# KiCad board keyboard.kicad_pcb
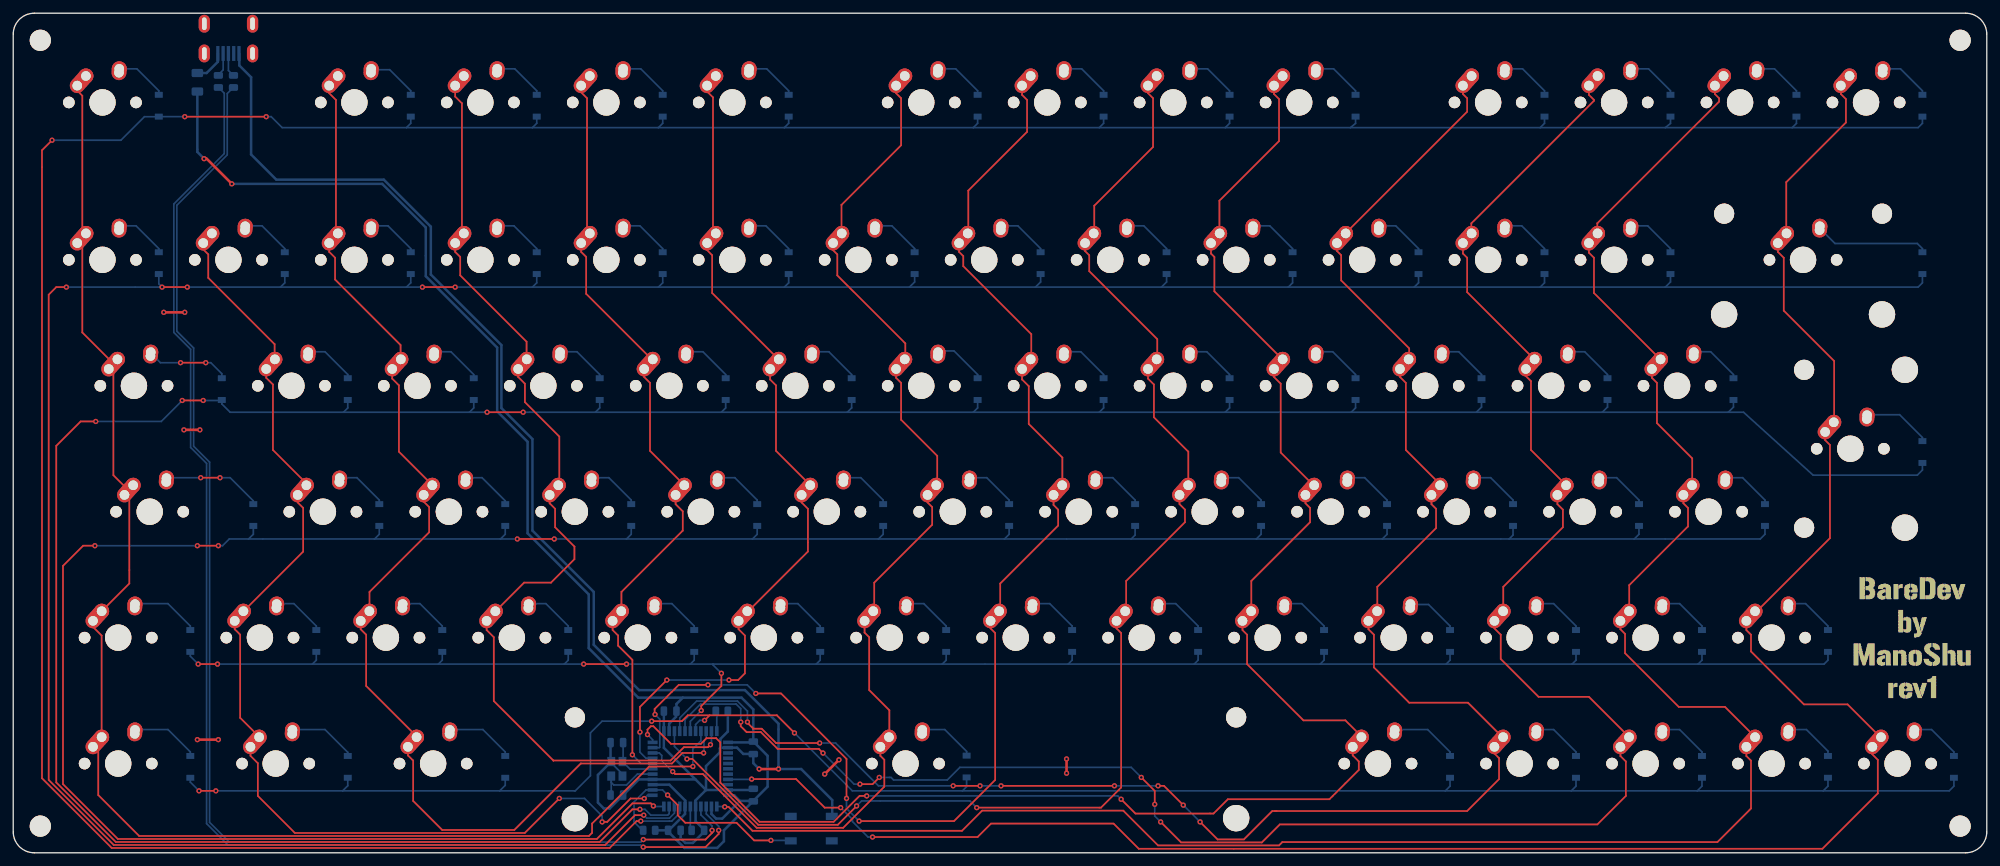
[diagram p0: board, top side]
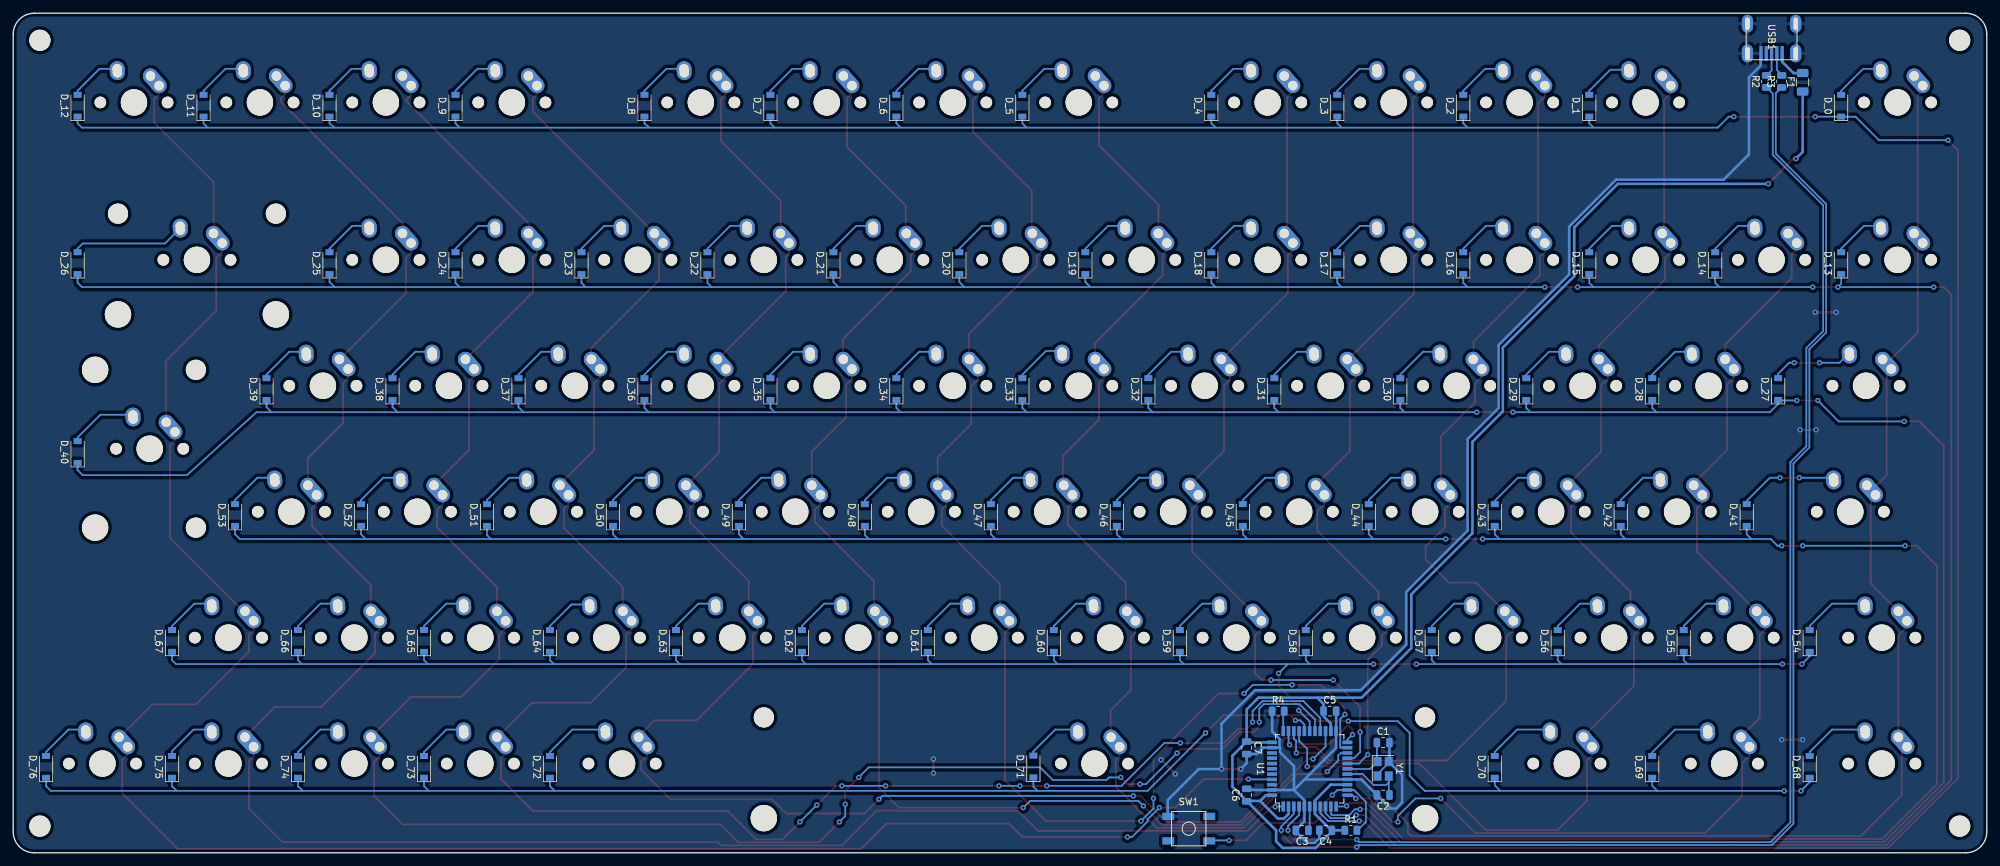
[diagram p1: board, bottom side, seen from below]

Outline 298.45 x 127 mm; copper layers: Top, Bottom. Coordinates in mm from the lower left corner of the outline.
Outline path: 0,123.83 0,3.17 arc(0.93,0.93) 3.17,0 295.27,0 arc(297.52,0.93) 298.45,3.17 298.45,123.83 arc(297.52,126.07) 295.27,127 3.17,127 arc(0.93,126.07) 0,123.83

## Placement (name value [footprint] x y rotation side)
BAREDEV_LOGO  -  [BAREDEV_LOGO]  277.4 42.26 0 top
C1  22pF  [C_0805_2012Metric]  91.28 16.67 180 bottom
C2  22pF  [C_0805_2012Metric]  91.28 8.73 0 bottom
C3  1uF  [C_0805_2012Metric]  103.54 3.4 0 bottom
C4  0.1uF  [C_0805_2012Metric]  99.98 3.4 0 bottom
C5  0.1uF  [C_0805_2012Metric]  99.35 21.43 180 bottom
C6  0.1uF  [C_0805_2012Metric]  111.92 8.73 90 bottom
C7  10uF  [C_0805_2012Metric]  111.92 15.88 270 bottom
D_0  D  [D_SOD-123]  22.02 113.01 90 bottom
D_1  D  [D_SOD-123]  60.12 113.01 90 bottom
D_2  D  [D_SOD-123]  79.17 113.01 90 bottom
D_3  D  [D_SOD-123]  98.22 113.01 90 bottom
D_4  D  [D_SOD-123]  117.27 113.01 90 bottom
D_5  D  [D_SOD-123]  145.84 113.01 90 bottom
D_6  D  [D_SOD-123]  164.89 113.01 90 bottom
D_7  D  [D_SOD-123]  183.94 113.01 90 bottom
D_8  D  [D_SOD-123]  202.99 113.01 90 bottom
D_9  D  [D_SOD-123]  231.57 113.01 90 bottom
D_10  D  [D_SOD-123]  250.62 113.01 90 bottom
D_11  D  [D_SOD-123]  269.67 113.01 90 bottom
D_12  D  [D_SOD-123]  288.72 113.01 90 bottom
D_13  D  [D_SOD-123]  22.02 89.19 90 bottom
D_14  D  [D_SOD-123]  41.07 89.19 90 bottom
D_15  D  [D_SOD-123]  60.12 89.19 90 bottom
D_16  D  [D_SOD-123]  79.17 89.19 90 bottom
D_17  D  [D_SOD-123]  98.22 89.19 90 bottom
D_18  D  [D_SOD-123]  117.27 89.19 90 bottom
D_19  D  [D_SOD-123]  136.32 89.19 90 bottom
D_20  D  [D_SOD-123]  155.37 89.19 90 bottom
D_21  D  [D_SOD-123]  174.42 89.19 90 bottom
D_22  D  [D_SOD-123]  193.47 89.19 90 bottom
D_23  D  [D_SOD-123]  212.52 89.19 90 bottom
D_24  D  [D_SOD-123]  231.57 89.19 90 bottom
D_25  D  [D_SOD-123]  250.62 89.19 90 bottom
D_26  D  [D_SOD-123]  288.72 89.19 90 bottom
D_27  D  [D_SOD-123]  31.54 70.14 90 bottom
D_28  D  [D_SOD-123]  50.59 70.14 90 bottom
D_29  D  [D_SOD-123]  69.64 70.14 90 bottom
D_30  D  [D_SOD-123]  88.69 70.14 90 bottom
D_31  D  [D_SOD-123]  107.74 70.14 90 bottom
D_32  D  [D_SOD-123]  126.79 70.14 90 bottom
D_33  D  [D_SOD-123]  145.84 70.14 90 bottom
D_34  D  [D_SOD-123]  164.89 70.14 90 bottom
D_35  D  [D_SOD-123]  183.94 70.14 90 bottom
D_36  D  [D_SOD-123]  202.99 70.14 90 bottom
D_37  D  [D_SOD-123]  222.04 70.14 90 bottom
D_38  D  [D_SOD-123]  241.09 70.14 90 bottom
D_39  D  [D_SOD-123]  260.14 70.14 90 bottom
D_40  D  [D_SOD-123]  288.72 60.62 90 bottom
D_41  D  [D_SOD-123]  36.31 51.09 90 bottom
D_42  D  [D_SOD-123]  55.36 51.09 90 bottom
D_43  D  [D_SOD-123]  74.41 51.09 90 bottom
D_44  D  [D_SOD-123]  93.46 51.09 90 bottom
D_45  D  [D_SOD-123]  112.51 51.09 90 bottom
D_46  D  [D_SOD-123]  131.56 51.09 90 bottom
D_47  D  [D_SOD-123]  150.61 51.09 90 bottom
D_48  D  [D_SOD-123]  169.66 51.09 90 bottom
D_49  D  [D_SOD-123]  188.71 51.09 90 bottom
D_50  D  [D_SOD-123]  207.76 51.09 90 bottom
D_51  D  [D_SOD-123]  226.81 51.09 90 bottom
D_52  D  [D_SOD-123]  245.86 51.09 90 bottom
D_53  D  [D_SOD-123]  264.91 51.09 90 bottom
D_54  D  [D_SOD-123]  26.78 32.04 90 bottom
D_55  D  [D_SOD-123]  45.83 32.04 90 bottom
D_56  D  [D_SOD-123]  64.88 32.04 90 bottom
D_57  D  [D_SOD-123]  83.93 32.04 90 bottom
D_58  D  [D_SOD-123]  102.98 32.04 90 bottom
D_59  D  [D_SOD-123]  122.03 32.04 90 bottom
D_60  D  [D_SOD-123]  141.08 32.04 90 bottom
D_61  D  [D_SOD-123]  160.13 32.04 90 bottom
D_62  D  [D_SOD-123]  179.18 32.04 90 bottom
D_63  D  [D_SOD-123]  198.23 32.04 90 bottom
D_64  D  [D_SOD-123]  217.28 32.04 90 bottom
D_65  D  [D_SOD-123]  236.33 32.04 90 bottom
D_66  D  [D_SOD-123]  255.38 32.04 90 bottom
D_67  D  [D_SOD-123]  274.43 32.04 90 bottom
D_68  D  [D_SOD-123]  26.78 12.99 90 bottom
D_69  D  [D_SOD-123]  50.59 12.99 90 bottom
D_70  D  [D_SOD-123]  74.41 12.99 90 bottom
D_71  D  [D_SOD-123]  144.18 13.05 90 bottom
D_72  D  [D_SOD-123]  217.28 12.99 90 bottom
D_73  D  [D_SOD-123]  236.33 12.99 90 bottom
D_74  D  [D_SOD-123]  255.38 12.99 90 bottom
D_75  D  [D_SOD-123]  274.43 12.99 90 bottom
D_76  D  [D_SOD-123]  293.48 12.99 90 bottom
F1  500mA  [Fuse_1206_3216Metric]  27.84 116.55 90 bottom
K_0  KEYSW  [MX-1U-NoLED]  13.49 113.51 0 top
K_1  KEYSW  [MX-1U-NoLED]  51.59 113.51 0 top
K_2  KEYSW  [MX-1U-NoLED]  70.64 113.51 0 top
K_3  KEYSW  [MX-1U-NoLED]  89.69 113.51 0 top
K_4  KEYSW  [MX-1U-NoLED]  108.74 113.51 0 top
K_5  KEYSW  [MX-1U-NoLED]  137.32 113.51 0 top
K_6  KEYSW  [MX-1U-NoLED]  156.37 113.51 0 top
K_7  KEYSW  [MX-1U-NoLED]  175.42 113.51 0 top
K_8  KEYSW  [MX-1U-NoLED]  194.47 113.51 0 top
K_9  KEYSW  [MX-1U-NoLED]  223.04 113.51 0 top
K_10  KEYSW  [MX-1U-NoLED]  242.09 113.51 0 top
K_11  KEYSW  [MX-1U-NoLED]  261.14 113.51 0 top
K_12  KEYSW  [MX-1U-NoLED]  280.19 113.51 0 top
K_13  KEYSW  [MX-1U-NoLED]  13.49 89.69 0 top
K_14  KEYSW  [MX-1U-NoLED]  32.54 89.69 0 top
K_15  KEYSW  [MX-1U-NoLED]  51.59 89.69 0 top
K_16  KEYSW  [MX-1U-NoLED]  70.64 89.69 0 top
K_17  KEYSW  [MX-1U-NoLED]  89.69 89.69 0 top
K_18  KEYSW  [MX-1U-NoLED]  108.74 89.69 0 top
K_19  KEYSW  [MX-1U-NoLED]  127.79 89.69 0 top
K_20  KEYSW  [MX-1U-NoLED]  146.84 89.69 0 top
K_21  KEYSW  [MX-1U-NoLED]  165.89 89.69 0 top
K_22  KEYSW  [MX-1U-NoLED]  184.94 89.69 0 top
K_23  KEYSW  [MX-1U-NoLED]  203.99 89.69 0 top
K_24  KEYSW  [MX-1U-NoLED]  223.04 89.69 0 top
K_25  KEYSW  [MX-1U-NoLED]  242.09 89.69 0 top
K_26  KEYSW  [MX-2U-NoLED]  270.67 89.69 0 top
K_27  KEYSW  [MX-1.5U-NoLED]  18.26 70.64 0 top
K_28  KEYSW  [MX-1U-NoLED]  42.07 70.64 0 top
K_29  KEYSW  [MX-1U-NoLED]  61.12 70.64 0 top
K_30  KEYSW  [MX-1U-NoLED]  80.17 70.64 0 top
K_31  KEYSW  [MX-1U-NoLED]  99.22 70.64 0 top
K_32  KEYSW  [MX-1U-NoLED]  118.27 70.64 0 top
K_33  KEYSW  [MX-1U-NoLED]  137.32 70.64 0 top
K_34  KEYSW  [MX-1U-NoLED]  156.37 70.64 0 top
K_35  KEYSW  [MX-1U-NoLED]  175.42 70.64 0 top
K_36  KEYSW  [MX-1U-NoLED]  194.47 70.64 0 top
K_37  KEYSW  [MX-1U-NoLED]  213.52 70.64 0 top
K_38  KEYSW  [MX-1U-NoLED]  232.57 70.64 0 top
K_39  KEYSW  [MX-1U-NoLED]  251.62 70.64 0 top
K_40  KEYSW  [MX-ISOEnter-NoLED]  277.81 61.12 0 top
K_41  KEYSW  [MX-1.75U-NoLED]  20.64 51.59 0 top
K_42  KEYSW  [MX-1U-NoLED]  46.83 51.59 0 top
K_43  KEYSW  [MX-1U-NoLED]  65.88 51.59 0 top
K_44  KEYSW  [MX-1U-NoLED]  84.93 51.59 0 top
K_45  KEYSW  [MX-1U-NoLED]  103.98 51.59 0 top
K_46  KEYSW  [MX-1U-NoLED]  123.03 51.59 0 top
K_47  KEYSW  [MX-1U-NoLED]  142.08 51.59 0 top
K_48  KEYSW  [MX-1U-NoLED]  161.13 51.59 0 top
K_49  KEYSW  [MX-1U-NoLED]  180.18 51.59 0 top
K_50  KEYSW  [MX-1U-NoLED]  199.23 51.59 0 top
K_51  KEYSW  [MX-1U-NoLED]  218.28 51.59 0 top
K_52  KEYSW  [MX-1U-NoLED]  237.33 51.59 0 top
K_53  KEYSW  [MX-1U-NoLED]  256.38 51.59 0 top
K_54  KEYSW  [MX-1.25U-NoLED]  15.88 32.54 0 top
K_55  KEYSW  [MX-1U-NoLED]  37.31 32.54 0 top
K_56  KEYSW  [MX-1U-NoLED]  56.36 32.54 0 top
K_57  KEYSW  [MX-1U-NoLED]  75.41 32.54 0 top
K_58  KEYSW  [MX-1U-NoLED]  94.46 32.54 0 top
K_59  KEYSW  [MX-1U-NoLED]  113.51 32.54 0 top
K_60  KEYSW  [MX-1U-NoLED]  132.56 32.54 0 top
K_61  KEYSW  [MX-1U-NoLED]  151.61 32.54 0 top
K_62  KEYSW  [MX-1U-NoLED]  170.66 32.54 0 top
K_63  KEYSW  [MX-1U-NoLED]  189.71 32.54 0 top
K_64  KEYSW  [MX-1U-NoLED]  208.76 32.54 0 top
K_65  KEYSW  [MX-1U-NoLED]  227.81 32.54 0 top
K_66  KEYSW  [MX-1U-NoLED]  246.86 32.54 0 top
K_67  KEYSW  [MX-1U-NoLED]  265.91 32.54 0 top
K_68  KEYSW  [MX-1.25U-NoLED]  15.88 13.49 0 top
K_69  KEYSW  [MX-1.25U-NoLED]  39.69 13.49 0 top
K_70  KEYSW  [MX-1.25U-NoLED]  63.5 13.49 0 top
K_71  KEYSW  [MX-6.25U-NoLED]  134.94 13.49 0 top
K_72  KEYSW  [MX-1.25U-NoLED]  206.38 13.49 0 top
K_73  KEYSW  [MX-1U-NoLED]  227.81 13.49 0 top
K_74  KEYSW  [MX-1U-NoLED]  246.86 13.49 0 top
K_75  KEYSW  [MX-1U-NoLED]  265.91 13.49 0 top
K_76  KEYSW  [MX-1U-NoLED]  284.96 13.49 0 top
R1  10k  [R_0805_2012Metric]  96.17 3.4 180 bottom
R2  22  [R_0805_2012Metric]  33.31 116.68 90 bottom
R3  22  [R_0805_2012Metric]  31.02 116.68 90 bottom
R4  10k  [R_0805_2012Metric]  107.16 21.43 180 bottom
REF**  -  [MountingHole_3.2mm_M3]  294.42 122.9 0 top
REF**#2  -  [MountingHole_3.2mm_M3]  294.42 4.03 0 top
REF**#3  -  [MountingHole_3.2mm_M3]  4.1 4.03 0 top
REF**#4  -  [MountingHole_3.2mm_M3]  4.1 122.9 0 top
SW1  SW_Push  [SKQG-1155865]  120.68 3.65 0 bottom
U1  ATmega32U4-AU  [TQFP-44_10x10mm_P0.8mm]  102.39 12.7 90 bottom
USB1  -  [Molex-0548190589]  32.54 125.41 270 bottom
Y1  16MHz  [Crystal_SMD_3225-4Pin_3.2x2.5mm]  91.28 12.7 270 bottom

## Footprints (pads in the part's own frame, mm; a bottom-side part is the same pattern mirrored in y, then rotated)
C_0805_2012Metric
  rrect 1x1.45 smd: 1(-0.95,0) 2(0.95,0)
Crystal_SMD_3225-4Pin_3.2x2.5mm
  rect 1.4x1.2 smd: 1(-1.1,-0.85) 2(1.1,-0.85) 3(1.1,0.85) 4(-1.1,0.85)
D_SOD-123
  rect 0.9x1.2 smd: 1(-1.65,0) 2(1.65,0)
Fuse_1206_3216Metric
  rrect 1.25x1.75 smd: 1(-1.4,0) 2(1.4,0)
Molex-0548190589
  rect 2.25x0.5 smd: 1(4.5,-1.6) 2(4.5,-0.8) 3(4.5,0) 4(4.5,0.8) 5(4.5,1.6)
  oval 2.7x1.7 hole 1.9x0.7: 6(0,-3.65) 6(0,3.65) 6(4.5,-3.65) 6(4.5,3.65)
MountingHole_3.2mm_M3
  round 3.2 hole 3.2 unplated: (0,0)
MX-1.5U-NoLED
  round 1.75 hole 1.75 unplated: (-5.08,0) (5.08,0)
  round 3.988 hole 3.988 unplated: (0,0)
  oval 4.212x2.25 hole 1.47 rot 48.1: 1(-3.81,2.54)
  round 2.25 hole 1.47: 1(-2.5,4) 2(2.54,5.08)
  oval 2.831x2.25 hole 1.47 rot 86.1: 2(2.5,4.5)
MX-1.25U-NoLED
  round 1.75 hole 1.75 unplated: (-5.08,0) (5.08,0)
  round 3.988 hole 3.988 unplated: (0,0)
  oval 4.212x2.25 hole 1.47 rot 48.1: 1(-3.81,2.54)
  round 2.25 hole 1.47: 1(-2.5,4) 2(2.54,5.08)
  oval 2.831x2.25 hole 1.47 rot 86.1: 2(2.5,4.5)
MX-1.75U-NoLED
  round 1.75 hole 1.75 unplated: (-5.08,0) (5.08,0)
  round 3.988 hole 3.988 unplated: (0,0)
  oval 4.212x2.25 hole 1.47 rot 48.1: 1(-3.81,2.54)
  round 2.25 hole 1.47: 1(-2.5,4) 2(2.54,5.08)
  oval 2.831x2.25 hole 1.47 rot 86.1: 2(2.5,4.5)
MX-1U-NoLED
  round 1.75 hole 1.75 unplated: (-5.08,0) (5.08,0)
  round 3.988 hole 3.988 unplated: (0,0)
  oval 4.212x2.25 hole 1.47 rot 48.1: 1(-3.81,2.54)
  round 2.25 hole 1.47: 1(-2.5,4) 2(2.54,5.08)
  oval 2.831x2.25 hole 1.47 rot 86.1: 2(2.5,4.5)
MX-2U-NoLED
  round 3.048 hole 3.048 unplated: (-11.938,6.985) (11.938,6.985)
  round 3.988 hole 3.988 unplated: (-11.938,-8.255) (0,0) (11.938,-8.255)
  round 1.75 hole 1.75 unplated: (-5.08,0) (5.08,0)
  oval 4.212x2.25 hole 1.47 rot 48.1: 1(-3.81,2.54)
  round 2.25 hole 1.47: 1(-2.5,4) 2(2.54,5.08)
  oval 2.831x2.25 hole 1.47 rot 86.1: 2(2.5,4.5)
MX-6.25U-NoLED
  round 3.048 hole 3.048 unplated: (-50,6.985) (50,6.985)
  round 3.988 hole 3.988 unplated: (-50,-8.255) (0,0) (50,-8.255)
  round 1.75 hole 1.75 unplated: (-5.08,0) (5.08,0)
  oval 4.212x2.25 hole 1.47 rot 48.1: 1(-3.81,2.54)
  round 2.25 hole 1.47: 1(-2.5,4) 2(2.54,5.08)
  oval 2.831x2.25 hole 1.47 rot 86.1: 2(2.5,4.5)
MX-ISOEnter-NoLED
  round 3.048 hole 3.048 unplated: (-6.985,11.938) (-6.985,-11.938)
  round 1.75 hole 1.75 unplated: (-5.08,0) (5.08,0)
  round 3.988 hole 3.988 unplated: (0,0) (8.255,11.938) (8.255,-11.938)
  oval 4.212x2.25 hole 1.47 rot 48.1: 1(-3.81,2.54)
  round 2.25 hole 1.47: 1(-2.5,4) 2(2.54,5.08)
  oval 2.831x2.25 hole 1.47 rot 86.1: 2(2.5,4.5)
R_0805_2012Metric
  rrect 1.025x1.4 smd: 1(-0.912,0) 2(0.912,0)
SKQG-1155865
  rect 1.8x1.1 smd: 1(3.1,-1.85) 2(-3.1,1.85) 3(3.1,1.85) 4(-3.1,-1.85)
TQFP-44_10x10mm_P0.8mm
  rect 1.5x0.55 smd: 1(-5.7,4) 2(-5.7,3.2) 3(-5.7,2.4) 4(-5.7,1.6) 5(-5.7,0.8) 6(-5.7,0) 7(-5.7,-0.8) 8(-5.7,-1.6) 9(-5.7,-2.4) 10(-5.7,-3.2) 11(-5.7,-4) 23(5.7,-4) 24(5.7,-3.2) 25(5.7,-2.4) 26(5.7,-1.6) 27(5.7,-0.8) 28(5.7,0) 29(5.7,0.8) 30(5.7,1.6) 31(5.7,2.4) 32(5.7,3.2) 33(5.7,4)
  rect 0.55x1.5 smd: 12(-4,-5.7) 13(-3.2,-5.7) 14(-2.4,-5.7) 15(-1.6,-5.7) 16(-0.8,-5.7) 17(0,-5.7) 18(0.8,-5.7) 19(1.6,-5.7) 20(2.4,-5.7) 21(3.2,-5.7) 22(4,-5.7) 34(4,5.7) 35(3.2,5.7) 36(2.4,5.7) 37(1.6,5.7) 38(0.8,5.7) 39(0,5.7) 40(-0.8,5.7) 41(-1.6,5.7) 42(-2.4,5.7) 43(-3.2,5.7) 44(-4,5.7)

## Nets
+5V: C4.1 C5.1 C6.1 C7.1 F1.1 R1.1 U1.2 U1.7 U1.14 U1.24 U1.34 U1.44
GND: C1.2 C2.2 C3.2 C4.2 C5.2 C6.2 C7.2 R4.1 SW1.1 U1.5 U1.15 U1.23 U1.35 U1.43 USB1.1 USB1.6 Y1.2 Y1.4
VCC: F1.2 USB1.5
col0: K_0.1 K_13.1 K_27.1 K_41.1 K_54.1 K_68.1 U1.30
col1: K_14.1 K_28.1 K_42.1 K_55.1 K_69.1 U1.12
col2: K_1.1 K_15.1 K_29.1 K_43.1 K_56.1 K_70.1 U1.31
col3: K_2.1 K_16.1 K_30.1 K_44.1 K_57.1 U1.32
col4: K_3.1 K_17.1 K_31.1 K_45.1 K_58.1 U1.18
col5: K_4.1 K_18.1 K_32.1 K_46.1 K_59.1 U1.19
col6: K_5.1 K_19.1 K_33.1 K_47.1 K_60.1 K_71.1 U1.20
col7: K_6.1 K_20.1 K_34.1 K_48.1 K_61.1 U1.21
col8: K_7.1 K_21.1 K_35.1 K_49.1 K_62.1 U1.25
col9: K_8.1 K_22.1 K_36.1 K_50.1 K_63.1 K_72.1 U1.22
col10: K_9.1 K_23.1 K_37.1 K_51.1 K_64.1 K_73.1 U1.26
col11: K_10.1 K_24.1 K_38.1 K_52.1 K_65.1 K_74.1 U1.27
col12: K_11.1 K_25.1 K_39.1 K_53.1 K_66.1 K_75.1 U1.1
col13: K_12.1 K_26.1 K_40.1 K_67.1 K_76.1 U1.41
D+: R2.2 USB1.3
D-: R3.2 USB1.4
row0: D_0.1 D_1.1 D_2.1 D_3.1 D_4.1 D_5.1 D_6.1 D_7.1 D_8.1 D_9.1 D_10.1 D_11.1 D_12.1 U1.8
row1: D_13.1 D_14.1 D_15.1 D_16.1 D_17.1 D_18.1 D_19.1 D_20.1 D_21.1 D_22.1 D_23.1 D_24.1 D_25.1 D_26.1 U1.9
row2: D_27.1 D_28.1 D_29.1 D_30.1 D_31.1 D_32.1 D_33.1 D_34.1 D_35.1 D_36.1 D_37.1 D_38.1 D_39.1 D_40.1 U1.10
row3: D_41.1 D_42.1 D_43.1 D_44.1 D_45.1 D_46.1 D_47.1 D_48.1 D_49.1 D_50.1 D_51.1 D_52.1 D_53.1 U1.11
row4: D_54.1 D_55.1 D_56.1 D_57.1 D_58.1 D_59.1 D_60.1 D_61.1 D_62.1 D_63.1 D_64.1 D_65.1 D_66.1 D_67.1 U1.28
row5: D_68.1 D_69.1 D_70.1 D_71.1 D_72.1 D_73.1 D_74.1 D_75.1 D_76.1 U1.29
Net-(C1-Pad1): C1.1 U1.17 Y1.1
Net-(C2-Pad1): C2.1 U1.16 Y1.3
Net-(C3-Pad1): C3.1 U1.6
Net-(D_0-Pad2): D_0.2 K_0.2
Net-(D_1-Pad2): D_1.2 K_1.2
Net-(D_2-Pad2): D_2.2 K_2.2
Net-(D_3-Pad2): D_3.2 K_3.2
Net-(D_4-Pad2): D_4.2 K_4.2
Net-(D_5-Pad2): D_5.2 K_5.2
Net-(D_6-Pad2): D_6.2 K_6.2
Net-(D_7-Pad2): D_7.2 K_7.2
Net-(D_8-Pad2): D_8.2 K_8.2
Net-(D_9-Pad2): D_9.2 K_9.2
Net-(D_10-Pad2): D_10.2 K_10.2
Net-(D_11-Pad2): D_11.2 K_11.2
Net-(D_12-Pad2): D_12.2 K_12.2
Net-(D_13-Pad2): D_13.2 K_13.2
Net-(D_14-Pad2): D_14.2 K_14.2
Net-(D_15-Pad2): D_15.2 K_15.2
Net-(D_16-Pad2): D_16.2 K_16.2
Net-(D_17-Pad2): D_17.2 K_17.2
Net-(D_18-Pad2): D_18.2 K_18.2
Net-(D_19-Pad2): D_19.2 K_19.2
Net-(D_20-Pad2): D_20.2 K_20.2
Net-(D_21-Pad2): D_21.2 K_21.2
Net-(D_22-Pad2): D_22.2 K_22.2
Net-(D_23-Pad2): D_23.2 K_23.2
Net-(D_24-Pad2): D_24.2 K_24.2
Net-(D_25-Pad2): D_25.2 K_25.2
Net-(D_26-Pad2): D_26.2 K_26.2
Net-(D_27-Pad2): D_27.2 K_27.2
Net-(D_28-Pad2): D_28.2 K_28.2
Net-(D_29-Pad2): D_29.2 K_29.2
Net-(D_30-Pad2): D_30.2 K_30.2
Net-(D_31-Pad2): D_31.2 K_31.2
Net-(D_32-Pad2): D_32.2 K_32.2
Net-(D_33-Pad2): D_33.2 K_33.2
Net-(D_34-Pad2): D_34.2 K_34.2
Net-(D_35-Pad2): D_35.2 K_35.2
Net-(D_36-Pad2): D_36.2 K_36.2
Net-(D_37-Pad2): D_37.2 K_37.2
Net-(D_38-Pad2): D_38.2 K_38.2
Net-(D_39-Pad2): D_39.2 K_39.2
Net-(D_40-Pad2): D_40.2 K_40.2
Net-(D_41-Pad2): D_41.2 K_41.2
Net-(D_42-Pad2): D_42.2 K_42.2
Net-(D_43-Pad2): D_43.2 K_43.2
Net-(D_44-Pad2): D_44.2 K_44.2
Net-(D_45-Pad2): D_45.2 K_45.2
Net-(D_46-Pad2): D_46.2 K_46.2
Net-(D_47-Pad2): D_47.2 K_47.2
Net-(D_48-Pad2): D_48.2 K_48.2
Net-(D_49-Pad2): D_49.2 K_49.2
Net-(D_50-Pad2): D_50.2 K_50.2
Net-(D_51-Pad2): D_51.2 K_51.2
Net-(D_52-Pad2): D_52.2 K_52.2
Net-(D_53-Pad2): D_53.2 K_53.2
Net-(D_54-Pad2): D_54.2 K_54.2
Net-(D_55-Pad2): D_55.2 K_55.2
Net-(D_56-Pad2): D_56.2 K_56.2
Net-(D_57-Pad2): D_57.2 K_57.2
Net-(D_58-Pad2): D_58.2 K_58.2
Net-(D_59-Pad2): D_59.2 K_59.2
Net-(D_60-Pad2): D_60.2 K_60.2
Net-(D_61-Pad2): D_61.2 K_61.2
Net-(D_62-Pad2): D_62.2 K_62.2
Net-(D_63-Pad2): D_63.2 K_63.2
Net-(D_64-Pad2): D_64.2 K_64.2
Net-(D_65-Pad2): D_65.2 K_65.2
Net-(D_66-Pad2): D_66.2 K_66.2
Net-(D_67-Pad2): D_67.2 K_67.2
Net-(D_68-Pad2): D_68.2 K_68.2
Net-(D_69-Pad2): D_69.2 K_69.2
Net-(D_70-Pad2): D_70.2 K_70.2
Net-(D_71-Pad2): D_71.2 K_71.2
Net-(D_72-Pad2): D_72.2 K_72.2
Net-(D_73-Pad2): D_73.2 K_73.2
Net-(D_74-Pad2): D_74.2 K_74.2
Net-(D_75-Pad2): D_75.2 K_75.2
Net-(D_76-Pad2): D_76.2 K_76.2
Net-(R1-Pad2): R1.2 SW1.2 U1.13
Net-(R2-Pad1): R2.1 U1.4
Net-(R3-Pad1): R3.1 U1.3
Net-(R4-Pad2): R4.2 U1.33
Net-(U1-Pad36): U1.36
Net-(U1-Pad37): U1.37
Net-(U1-Pad38): U1.38
Net-(U1-Pad39): U1.39
Net-(U1-Pad40): U1.40
Net-(U1-Pad42): U1.42
Net-(USB1-Pad2): USB1.2

Pads without a net: SW1 3 4

## Via types
v1: diameter 0.8, hole 0.4, Top to Bottom, 99 vias
